# Altium PCB HW_Dron_V2.PcbDoc (part 1 of 2) (continued)
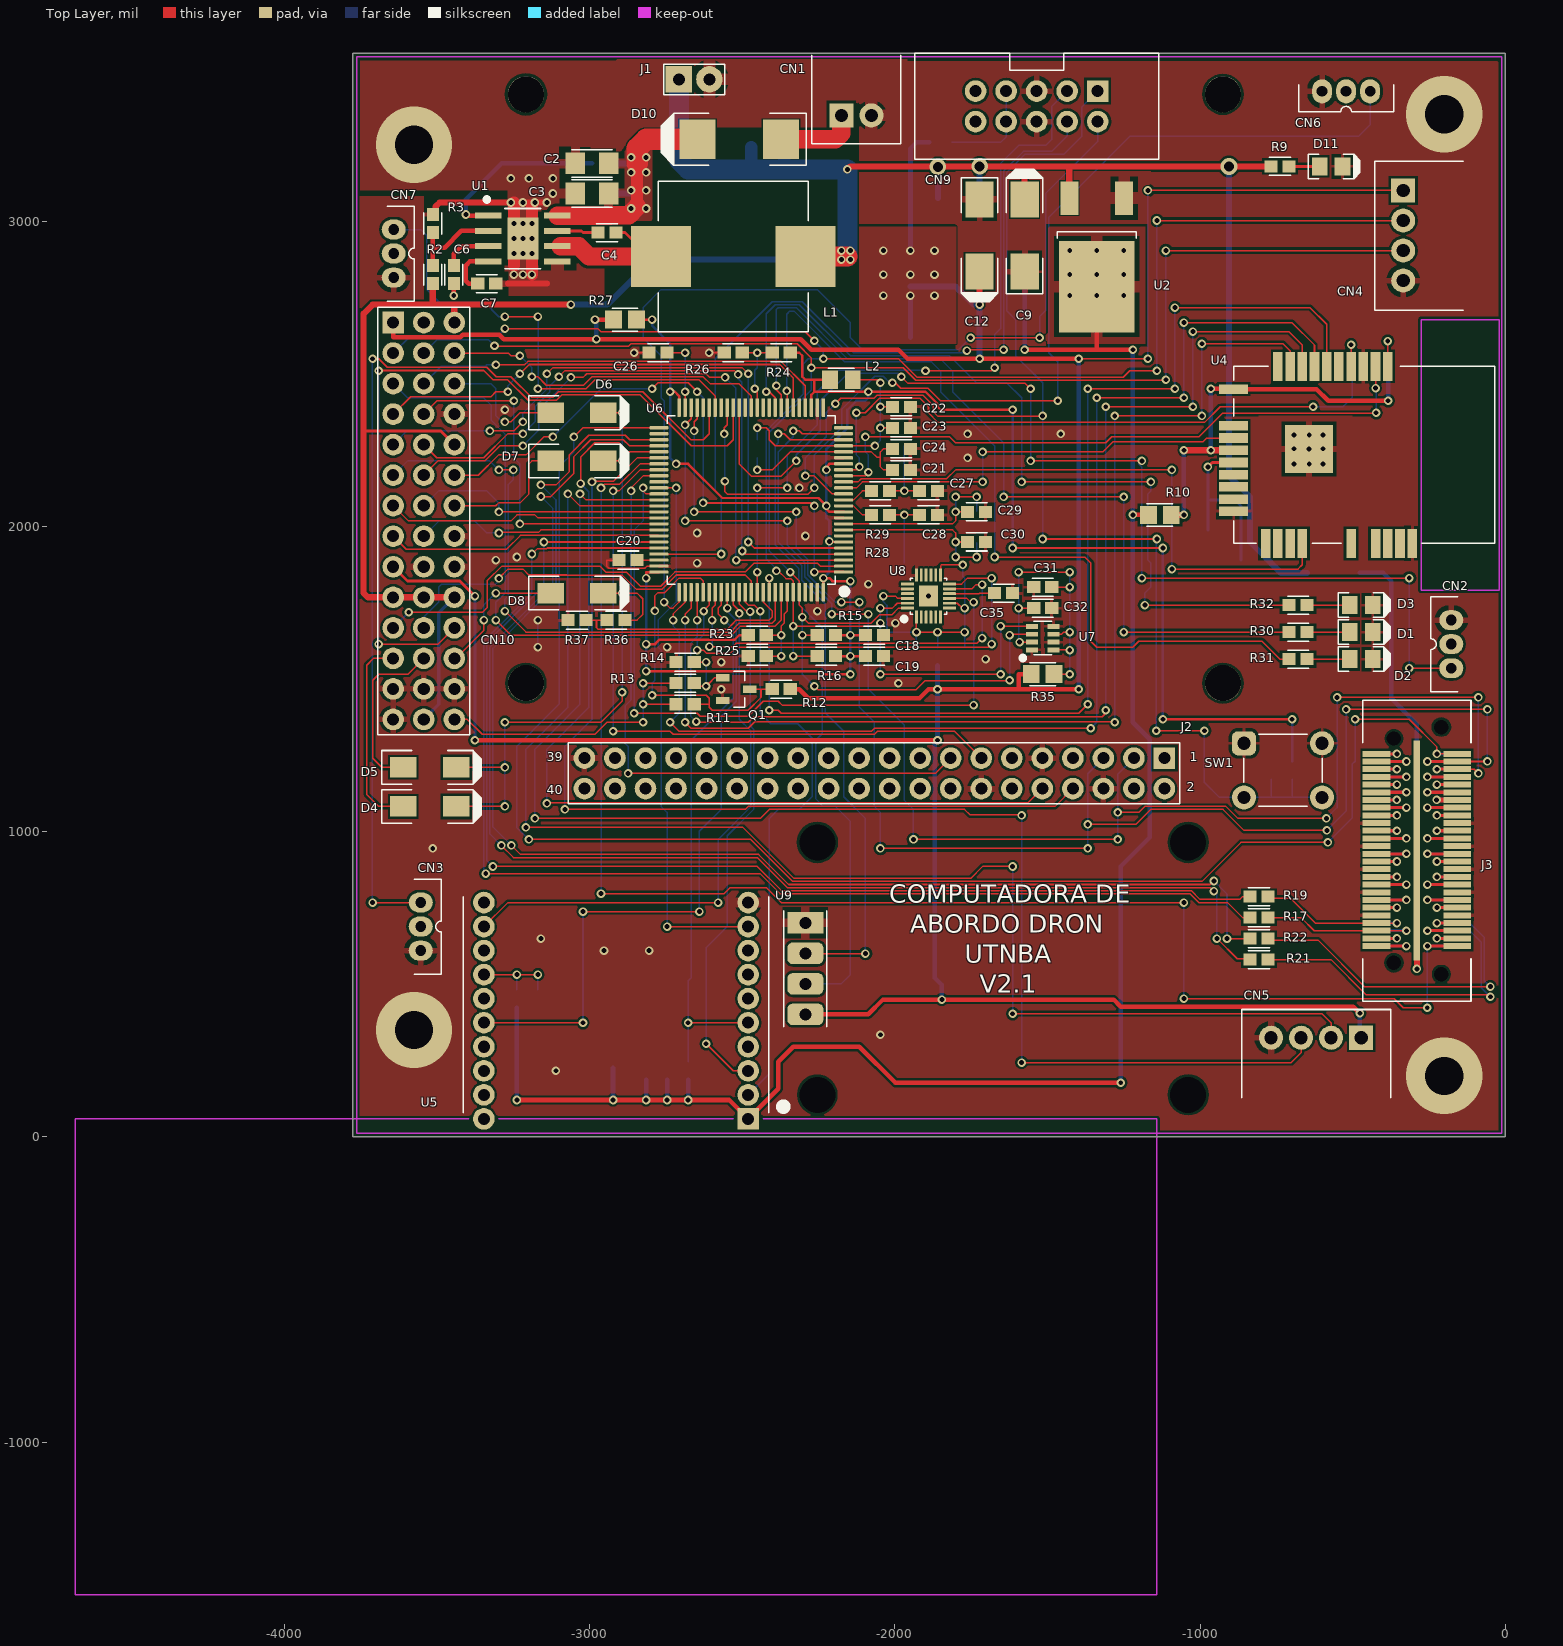
[diagram p0: Top Layer view]
## Footprints (in the part's own frame and the unit in brackets; to place one, negate y for a bottom-side part, rotate by r counter-clockwise, add the part's x,y. Pads: shape width x height; smd on the part's side, far side on the other; paste and mask are expansions set on the pad) (continued)
AVX_C [mm] "Capacitor AVX Case C"
  rect 3x2.35 smd: 1(-3,0) 2(3,0)
  silkscreen extent -5.5,-1.52 4.83,1.52, body extent -3.05,-1.68 3.05,1.67, height 2.7
BMP280 [mm] "LGA 2,0*2,5*0,95mm3"
  rect 1x0.4 smd: 1(0.9,0.975) 2(0.9,0.325) 3(0.9,-0.325) 4(0.9,-0.975) 5(-0.9,-0.975) 6(-0.9,-0.325) 7(-0.9,0.325) 8(-0.9,0.975)
  silkscreen extent -0.75,-1.4 1.82,1.82, body extent -1,-1.25 1,1.25, height 1
C0603 [mm] "Capacitor SMD 0603"
  rect 1.1x1 smd: 1(-0.75,0) 2(0.75,0)
  silkscreen extent -0.88,-0.75 0.88,0.75, body extent -0.8,-0.43 0.8,0.43, height 0.83
C1206 [mm] "Capacitor SMD 1206"
  rect 1.6x1.8 smd: 1(-1.4,0) 2(1.4,0)
  silkscreen extent -1.7,-1.15 1.7,1.15, body extent -1.6,-0.83 1.6,0.83, height 1.53
DPAK [mm] "TO-252"
  rect 1.5x2.8 smd: 1(-2.286,-4.365) 3(2.286,-4.365)
  rect 6.3x7.6 smd: 2(0,3)
  silkscreen extent -3.27,-1.55 3.27,-1.02, body extent -3.37,-4.7 3.37,5.4, height 2.4
GY-NEO6MV2 [mm] "Modulo GPS NEO6MV2"
  rrect50% 1.8x3 hole 1: 1(-3.81,0) 2(-1.27,0) 3(1.27,0)
  rect 1.8x3 hole 1: 4(3.81,0)
  round 1.25 hole 3 unplated: ""(-10.5,-1) ""(-10.5,-31.86) ""(10.5,-1) ""(10.5,-31.86)
  silkscreen extent -4.83,-1.78 4.83,1.78, body extent -12.75,-38.81 12.75,1.5, height 14.12
HEADER_14X3H [mm]
  rect 1.8x1.8 hole 1: 1(-2.54,16.51)
  round 1.8 hole 1: 2(0,16.51) 3(2.54,16.51) 4(-2.54,13.97) 5(0,13.97) 6(2.54,13.97) 7(-2.54,11.43) 8(0,11.43) 9(2.54,11.43) 10(-2.54,8.89) 11(0,8.89) 12(2.54,8.89) 13(-2.54,6.35) 14(0,6.35) 15(2.54,6.35) 16(-2.54,3.81) 17(0,3.81) 18(2.54,3.81) 19(-2.54,1.27) 20(0,1.27) 21(2.54,1.27) 22(-2.54,-1.27) 23(0,-1.27) 24(2.54,-1.27) 25(-2.54,-3.81) 26(0,-3.81) 27(2.54,-3.81) 28(-2.54,-6.35) 29(0,-6.35) 30(2.54,-6.35) 31(-2.54,-8.89) 32(0,-8.89) 33(2.54,-8.89) 34(-2.54,-11.43) 35(0,-11.43) 36(2.54,-11.43) 37(-2.54,-13.97) 38(0,-13.97) 39(2.54,-13.97) 40(-2.54,-16.51) 41(0,-16.51) 42(2.54,-16.51)
  silkscreen extent -3.81,-17.78 3.81,17.78, body extent -11.05,-17.75 3.05,17.81, height 9.72
HSOP-8 [mm]
  rect 0.5x2.2 smd: 1(-1.905,-2.875) 2(-0.635,-2.875) 3(0.635,-2.875) 4(1.905,-2.875) 5(1.905,2.875) 6(0.635,2.875) 7(-0.635,2.875) 8(-1.905,2.875)
  rect 3.5x2.6 smd: 9(0,0)
  silkscreen extent -3.42,-3.17 2.5,1.5, body extent -2.5,-3.1 2.5,3.1, height 1.75
IDC10M [mm] "10 pin IDC male header connector"
  rect 1.8x1.8 hole 1: 1(-5.08,-1.27)
  round 1.8 hole 1: 2(-5.08,1.27) 3(-2.54,-1.27) 4(-2.54,1.27) 5(0,-1.27) 6(0,1.27) 7(2.54,-1.27) 8(2.54,1.27) 9(5.08,-1.27) 10(5.08,1.27)
  silkscreen extent -10.15,-4.4 10.15,4.4, body extent -10.15,-4.4 10.15,4.7, height 9.3
JST-PH_3 [mm]
  oval 1.65x2 hole 0.9: 1(-2,0) 2(0,0) 3(2,0)
  silkscreen extent -3.95,-0.55 3.95,1.7, body extent -3.95,-2.79 3.95,1.71, height 6.1
L0805 [mm] "Inductor SMD 0805"
  rect 1.3x1.5 smd: 1(-0.95,0) 2(0.95,0)
  silkscreen extent -1.07,-0.95 1.08,0.95, body extent -1,-0.6 1,0.6, height 1.3
LED_0805 [mm] "0805 Package Chip LED"
  rect 1.3x1.5 smd: 1(-0.95,0) 2(0.95,0)
  silkscreen extent -1.91,-1.02 2.4,1.02, body extent -1.01,-0.63 1.01,0.62, height 1.1
MPU9250_HS [mm] "IMU 9 DOF"
  rrect50% 1.1x0.24 smd mask+0.051: 1(-1.75,1) 2(-1.75,0.6) 3(-1.75,0.2) 4(-1.75,-0.2) 5(-1.75,-0.6) 6(-1.75,-1) 13(1.75,-1) 14(1.75,-0.6) 15(1.75,-0.2) 16(1.75,0.2) 17(1.75,0.6) 18(1.75,1)
  rrect50% 0.24x1.1 smd mask+0.051: 7(-1,-1.75) 8(-0.6,-1.75) 9(-0.2,-1.75) 10(0.2,-1.75) 11(0.6,-1.75) 12(1,-1.75) 19(1,1.75) 20(0.6,1.75) 21(0.2,1.75) 22(-0.2,1.75) 23(-0.6,1.75) 24(-1,1.75)
  rect 1.76x1.6 smd mask+0.051: 25(0,0)
  silkscreen extent -2.08,-1.5 1.5,2.2, body extent -1.51,-1.52 1.51,1.5
ODROID_C1+_MOUNTUP [mm]
  rect 1.8x1.8 hole 1: 1(1.27,-24.13)
  round 1.8 hole 1: 2(-1.27,-24.13) 3(1.27,-21.59) 4(-1.27,-21.59) 5(1.27,-19.05) 6(-1.27,-19.05) 7(1.27,-16.51) 8(-1.27,-16.51) 9(1.27,-13.97) 10(-1.27,-13.97) 11(1.27,-11.43) 12(-1.27,-11.43) 13(1.27,-8.89) 14(-1.27,-8.89) 15(1.27,-6.35) 16(-1.27,-6.35) 17(1.27,-3.81) 18(-1.27,-3.81) 19(1.27,-1.27) 20(-1.27,-1.27) 21(1.27,1.27) 22(-1.27,1.27) 23(1.27,3.81) 24(-1.27,3.81) 25(1.27,6.35) 26(-1.27,6.35) 27(1.27,8.89) 28(-1.27,8.89) 29(1.27,11.43) 30(-1.27,11.43) 31(1.27,13.97) 32(-1.27,13.97) 33(1.27,16.51) 34(-1.27,16.51) 35(1.27,19.05) 36(-1.27,19.05) 37(1.27,21.59) 38(-1.27,21.59) 39(1.27,24.13) 40(-1.27,24.13)
  round 3 hole 3 unplated: ""(7.5,29) ""(7.5,-29) ""(56.5,-29) ""(56.5,29)
  silkscreen extent -2.54,-25.4 2.54,25.48, body extent -2.54,-32.75 60.5,53.75, height 36.9
QFP100 [mm]
  rrect50% 0.28x1.56 smd: 1(-6,-7.68) 2(-5.5,-7.68) 3(-5,-7.68) 4(-4.5,-7.68) 5(-4,-7.68) 6(-3.5,-7.68) 7(-3,-7.68) 8(-2.5,-7.68) 9(-2,-7.68) 10(-1.5,-7.68) 11(-1,-7.68) 12(-0.5,-7.68) 13(0,-7.68) 14(0.5,-7.68) 15(1,-7.68) 16(1.5,-7.68) 17(2,-7.68) 18(2.5,-7.68) 19(3,-7.68) 20(3.5,-7.68) 21(4,-7.68) 22(4.5,-7.68) 23(5,-7.68) 24(5.5,-7.68) 25(6,-7.68) 51(6,7.68) 52(5.5,7.68) 53(5,7.68) 54(4.5,7.68) 55(4,7.68) 56(3.5,7.68) 57(3,7.68) 58(2.5,7.68) 59(2,7.68) 60(1.5,7.68) 61(1,7.68) 62(0.5,7.68) 63(0,7.68) 64(-0.5,7.68) 65(-1,7.68) 66(-1.5,7.68) 67(-2,7.68) 68(-2.5,7.68) 69(-3,7.68) 70(-3.5,7.68) 71(-4,7.68) 72(-4.5,7.68) 73(-5,7.68) 74(-5.5,7.68) 75(-6,7.68)
  rrect50% 1.56x0.28 smd: 26(7.68,-6) 27(7.68,-5.5) 28(7.68,-5) 29(7.68,-4.5) 30(7.68,-4) 31(7.68,-3.5) 32(7.68,-3) 33(7.68,-2.5) 34(7.68,-2) 35(7.68,-1.5) 36(7.68,-1) 37(7.68,-0.5) 38(7.68,0) 39(7.68,0.5) 40(7.68,1) 41(7.68,1.5) 42(7.68,2) 43(7.68,2.5) 44(7.68,3) 45(7.68,3.5) 46(7.68,4) 47(7.68,4.5) 48(7.68,5) 49(7.68,5.5) 50(7.68,6) 76(-7.68,6) 77(-7.68,5.5) 78(-7.68,5) 79(-7.68,4.5) 80(-7.68,4) 81(-7.68,3.5) 82(-7.68,3) 83(-7.68,2.5) 84(-7.68,2) 85(-7.68,1.5) 86(-7.68,1) 87(-7.68,0.5) 88(-7.68,0) 89(-7.68,-0.5) 90(-7.68,-1) 91(-7.68,-1.5) 92(-7.68,-2) 93(-7.68,-2.5) 94(-7.68,-3) 95(-7.68,-3.5) 96(-7.68,-4) 97(-7.68,-4.5) 98(-7.68,-5) 99(-7.68,-5.5) 100(-7.68,-6)
  silkscreen extent -7.8,-7.93 7,7, body extent -8,-8 8,8
R0603 [mm] "Resistor SMD 0603"
  rect 1.1x1 smd: 1(-0.75,0) 2(0.75,0)
  silkscreen extent -0.88,-0.75 0.87,0.75, body extent -0.8,-0.43 0.8,0.43, height 0.48
R0805 [mm] "Resistor SMD 0805"
  rect 1.4x1.5 smd: 1(-0.95,0) 2(0.95,0)
  silkscreen extent -1.07,-0.95 1.07,0.95, body extent -1,-0.63 1,0.63, height 0.43
S2B-XH-A [mm] "Conector JST XH A side 2 pos"
  rect 2x2 hole 1.1: 1(-1.25,0)
  round 2 hole 1.1: 2(1.25,0)
  silkscreen extent -3.7,-2.35 3.7,5, body extent -3.7,-2.25 3.7,9.25, height 6.1
S4B-XH-A [mm] "Conector JST XH A side 4 pos"
  rect 2x2 hole 1.1: 1(-3.75,0)
  round 2 hole 1.1: 2(-1.25,0) 3(1.25,0) 4(3.75,0)
  silkscreen extent -6.2,-2.35 6.2,5, body extent -6.25,-2.25 6.15,9.25, height 6.1
"SMA (DO-214AC)" [mm]
  rect 2.2x1.7 smd: 1(-2.2,0) 2(2.2,0)
  silkscreen extent -4,-1.4 4.3,1.4, body extent -2.74,-1.4 2.74,1.4, height 2.24
"SMC (DO-214AB)" [mm]
  rect 3x3.3 smd: 1(-3.475,0) 2(3.475,0)
  silkscreen extent -5.59,-2.16 6.5,2.16, body extent -4.06,-3.15 4.06,3.15
SOT23 [mm]
  rect 1.15x0.6 smd: 1(-1.125,0.95) 2(1.125,0) 3(-1.125,-0.95)
  silkscreen extent -0.2,-1.5 0.7,1.5, body extent -1.27,-1.5 1.23,1.5, height 1.09
SRP1265A [mm] "Shielded Power Inductors"
  rect 5x5.1 smd: 1(-6,0) 2(6,0)
  silkscreen extent -6.25,-6.25 6.25,6.25, body extent -6.75,-6.25 6.75,6.25, height 6.4
TAC_SW_4 [mm] "TAC SWITCH de 4"
  round 2 hole 1.1: 1(-3.25,-2.25) 2(-3.25,2.25) 2(3.25,2.25)
  rrect50% 2x2 hole 1.1: 1(3.25,-2.25)
  silkscreen extent -3.25,-3 3.25,3, body extent -3.87,-3.01 3.87,3.02, height 5.01
XBEEPRO [mm]
  rect 1.8x1.8 hole 1: 1(11,-9)
  round 1.8 hole 1: 2(11,-7) 3(11,-5) 4(11,-3) 5(11,-1) 6(11,1) 7(11,3) 8(11,5) 9(11,7) 10(11,9) 11(-11,9) 12(-11,7) 13(-11,5) 14(-11,3) 15(-11,1) 16(-11,-1) 17(-11,-3) 18(-11,-5) 19(-11,-7) 20(-11,-9)
  Keep-Out Layer lines w0.127: -12.25,-9 -45,-9 -45,-48.6 45,-48.6 45,-9 12.25,-9 ; -9.75,-9 9.75,-9
  silkscreen extent -12.7,-8.5 14.2,9.5, body extent -12.11,-30.97 12.27,16.4, height 6.96

## Part data
C1 C2 C3 C4 C5 C6 C7 C8 C13 C15 C17 C18 C19 C20 C21 C22 C23 C24 C25 C26 C27 C28 C29 C30 C31 C32 C33 C34 C35: library part Capacitor, "Capacitor de placas paralelas"
C9 C10 C11 C12 C14 C16: library part CapaPol, "Capacitor polarizado"
CN1 J1: library part Header_2, "Header, 2-pin"
CN2 CN3 CN6 CN7: library part Header_3, "Header, 3-pin"
CN4 CN5: library part Header_4, "Header, 4-pin"
CN9: library part Header_5x2H, "Header, 5x2-pin pinout horizontal"
CN10: "Header, 14x3-pin"
D1 D2 D3 D11: "Diodo Led"
D4 D5 D6 D7 D8 D9: library part Diode, "Diodo"
D10: "Diodo Schottky"
J2: library part Odroid_C1+, "Conector para odroid c1+"
J3: library part PCIe/104A-OneBankTop, "PCIe/104 Connector A, OneBank Top"
J4: library part PCIe/104A-OneBankBottom, "PCIe/104 Connector A, OneBank Bottom"
L1 L2: library part Inductor, "Inductor"
Q1: library part NPN, "Transistor bipolar de juntura NPN"
R1 R2 R3 R4 R5 R6 R7 R8 R9 R10 R11 R12 R13 R14 R15 R16 R17 R18 R19 R20 R21 R22 R23 R24 R25 R26 R27 R28 R29 R30 R31 R32 R33 R34 R35 R36 R37: library part Resistor, "Resistencia"
SW1: library part TAC_SWITCH_4, "Pulsador de 4 pines"
U1: "4.5-V to 18-V Input, 6-A Synchronous Step-Down Converter"
U2 U3: library part LM1117, "Low dropout oscilator"
U4: "IEEE 802.11 b/g/n SmartConnect  IoT Module"
U5: library part XbeePRO_S2C, "Conector modulo Zigbee Series 2 C"
U6: library part STM32F407VGT6_100, "Microcontrolador STM32F407VGT6 100 pines"
U7: "Sensor de presion digital"
U8: "IMU 9DOF"
U9: "Modulo GPS NEO6 V2"
Y1 Y2: library part XTAL, "Resonador cerámico"

## Via types
v1: diameter 28, hole 16, Top Layer to Bottom Layer, tented both sides, 470 vias
v2: diameter 250, hole 125, Top Layer to Bottom Layer, 4 vias
v3: diameter 54, hole 32, Top Layer to Bottom Layer, tented both sides, 2 vias
v4: diameter 56, hole 32, Top Layer to Bottom Layer, tented both sides, 1 vias

## Nets (pads, with @x,y where several pads share a name; then routed paths per layer and width w, separated by ;. In a path a pad name is that pad's centre, name@x,y a point inside that pad or via, vN(x,y) a via of type N, cw(c..) or ccw(c..) an arc to the next point about the centre after c; other vN are vias at no path point)
3V3: C12.1 CN4.1 CN5.1 CN10.1 CN10.25 R12.2 R27.1 R33.1 R34.1 R35.1 U3.2 U9.1 | length 12640.1
  Top Layer w5: R35.1@-1564.96,1515.75 R35.1@-1545.27,1535.43 ; v1(-1397.64,2549.21) v1(-1171.26,2549.21) ; v1(-1171.26,3100.39) CN4.1@-334.65,3100.39
  Top Layer w10: CN10.25@-3643.31,1867.72 -3596.46,1820.87 -3425.2,1820.87 v1(-3375.98,1771.65)
  Top Layer w15: CN10.1@-3643.31,2667.72 -3643.31,2619.69 -3571.26,2619.69 -3571.16,2619.78 -3423.45,2619.78 -3415.28,2627.95 -3295.35,2627.95 -3280.82,2613.43 v1(-2977.6,2613.43) -2308.31,2613.43 -2273.62,2578.74 -1988.19,2578.74 -1958.66,2549.21 v1(-1722.44,2549.21) v1(-1397.64,2549.21) ; v1(-3375.98,1299.21) v1(-1860.24,1299.21) ; v1(-2982.28,2677.16) R27.1@-2913.39,2677.16 ; R12.2@-2342.52,1466.54 -2312.99,1466.54 -2283.46,1437.01 -1919.29,1437.01 -1889.76,1466.54 v1(-1860.24,1466.54) -1594.49,1466.54 ; U9.1@-2293.31,401.18 -2087.6,401.18 -2038.89,449.89 v1(-1846.16,449.89) -1283.48,449.89 -1259.84,426.26 -497.9,426.26 v1(-476.67,405.03) ; R35.1@-1574.8,1515.75 -1594.49,1515.75 -1594.49,1466.54 ; v1(-1397.64,1466.54) -1594.49,1466.54
  Top Layer w20: v1(-1722.44,2726.38) C12.1@-1722.43,2834.64
  Bottom Layer w5: v1(-1171.26,2549.21) v1(-1171.26,3100.39)
  Bottom Layer w10: v1(-3375.98,1299.21) v1(-3375.98,1771.65)
  Bottom Layer w15: v1(-2982.28,2677.16) -2977.6,2672.48 v1(-2977.6,2613.43) ; -1948.82,2618.11 v1(-1948.82,2755.91) ; v1(-1948.82,2903.54) -1948.82,3238.19 -1929.13,3257.87 R33.1@-1887.8,3257.87 ; R34.1@-1860.24,1545.28 v1(-1860.24,1466.54) v1(-1860.24,1299.21) -1868.82,1290.63 -1868.82,520.39 -1846.16,497.74 v1(-1846.16,449.89) ; v1(-1397.64,1466.54) v1(-1397.64,2549.21) ; CN5.1@-476.67,329.04 v1(-476.67,405.03)
  Bottom Layer w20: U3.2@-1948.82,2785.43 -1801.18,2785.43 -1742.13,2726.38 v1(-1722.44,2726.38) v1(-1722.44,2549.21)
  other v1: -2037.4,2755.91 -1870.08,2755.91 -2037.4,2824.8 -1948.82,2824.8 -1870.08,2824.8 -2037.4,2903.54 -1870.08,2903.54
3V3_BMP: C31.1 C32.1 R35.2 U7.2 U7.6 U7.8 | length 1057.5
  Top Layer w5: v1(-1594.49,1732.28) C32.1@-1545.28,1732.28 ; v1(-1594.49,1850.39) v1(-1427.17,1850.39) ; v1(-1591.54,1621.06) U7.2@-1551.18,1621.06 ; R35.2@-1486.22,1535.43 -1466.54,1515.75 v1(-1427.17,1515.75) ; C31.1@-1486.22,1801.18 v1(-1427.17,1801.18) ; U7.8@-1480.31,1595.47 v1@-1427.17,1595.47 ; U7.6@-1480.31,1646.65 -1453.74,1646.65 -1446.85,1653.54 v1(-1427.17,1653.54)
  Bottom Layer w5: v1(-1594.49,1850.39) v1(-1594.49,1732.28) -1594.49,1624.02 v1(-1591.54,1621.06) ; v1(-1427.17,1515.75) v1(-1427.17,1594.49) v1(-1427.17,1653.54) v1(-1427.17,1801.18) v1(-1427.17,1850.39)
3V3_COM: C10.1 C13.1 C14.1 C15.1 R4.2 R5.2 R10.1 U2.2 U5.1 | length 6148.9
  Top Layer w15: v1(-3238.19,120.86) v1(-2923.23,120.86) v1(-2814.96,120.86) v1(-2746.06,120.86) -2542.12,120.86 U5.1@-2480.31,59.06 -2381.89,157.48 -2381.89,246.06 -2332.68,295.28 -2116.14,295.28 -1998.03,177.17 v1(-1259.84,177.17) ; v1(-1574.8,2578.74) -1338.58,2578.74 ; U2.2@-1338.58,2785.43 -1338.58,2578.74 ; v1(-1220.47,2037.4) R10.1@-1161.42,2037.4 ; v1(-1220.47,2578.74) -1338.58,2578.74
  Bottom Layer w15: v1(-3238.19,120.86) R5.2@-3238.19,423.23 ; v1(-2923.23,120.86) C14.1@-2923.24,226.37 ; v1(-2814.96,120.86) C15.1@-2814.96,187.01 ; v1(-2746.06,120.86) C13.1@-2746.06,187.01 ; v1(-2677.17,120.86) R4.2@-2677.17,187.01 ; v1(-1574.8,2578.74) C10.1@-1574.81,2834.64 ; v1(-1259.84,177.17) -1259.84,885.83 -1164.86,980.81 -1164.86,1302.66 -1220.47,1358.27 v1(-1220.47,2037.4) v1(-1220.47,2578.74)
  other v1: -1427.17,2755.91 -1338.58,2755.91 -1250,2755.91 -1427.17,2824.8 -1338.58,2824.8 -1250,2824.8 -1427.17,2903.54 -1338.58,2903.54 -1250,2903.54
3V3_IMU: C33.1 C34.1 R34.2 U8.1 U8.8 U8.13 U8.22 | length 1035.8
  Top Layer w5: v1(-2037.4,1771.65) -1998.03,1771.65 -1990.16,1763.78 U8.22@-1958.66,1763.78 ; U8.1@-1929.13,1702.76 v1(-1929.13,1653.54) v1(-1771.65,1653.54) ; U8.13@-1850.39,1840.55 -1850.39,1870.08 -1846.46,1874.01 v1(-1777.56,1874.01) ; U8.8@-1820.87,1748.03 -1795.27,1748.03 -1779.53,1732.28 v1(-1771.65,1732.28)
  Bottom Layer w5: v1(-2037.4,1771.65) -2037.4,1752.85 -2025.74,1741.19 -2025.74,1661.57 -2017.72,1653.54 v1(-1929.13,1653.54) C34.1@-1929.13,1604.33 ; R34.2@-1860.24,1602.36 v1(-1860.24,1653.54) ; v1(-1777.56,1874.01) -1777.56,1836.62 -1771.65,1830.71 v1(-1771.65,1732.28) v1(-1771.65,1653.54) C33.1@-1771.65,1604.33
3V3_MCU: C18.1 C19.1 L2.1 R15.1 R16.1 R20.2 R23.1 R24.1 R27.2 U6.6 U6.11 U6.19 U6.28 U6.50 U6.75 U6.100 | length 7161.7
  Top Layer w8: R27.2@-2846.46,2677.17 v1(-2795.28,2677.17) ; v1(-2814.96,1525.59) -2814.12,1524.75 -2243.26,1524.75 -2234.25,1515.75 v1(-2145.66,1515.75) ; v1(-2814.96,1614.17) -2785.43,1614.17 -2770.46,1629.15 -2524.4,1629.15 -2509.84,1643.7 R23.1@-2480.32,1643.7 ; v1(-2814.96,1830.71) -2814.96,1850.39 U6.75@-2772.84,1850.39 ; v1(-2736.22,2440.94) -2720.52,2440.94 -2706.69,2427.12 U6.50@-2706.69,2388.98 ; v1(-2716.54,2204.72) -2677.17,2204.72 -2565.43,2092.98 -2250.46,2092.98 v1(-2224.41,2066.93) -2224.41,2057.09 -2214.57,2047.24 U6.11@-2168.11,2047.24 ; R24.1@-2342.52,2568.9 -2312.99,2568.9 -2303.15,2559.06 -2303.15,2490.16 -2293.31,2480.32 -2263.78,2480.32 ; U6.28@-2273.62,2388.98 -2273.62,2431.1 -2263.78,2440.94 ; U6.100@-2234.25,1784.25 v1(-2234.25,1830.71) -2214.57,1830.71 -2204.72,1820.87 v1(-2145.67,1820.87) ; v1(-2214.57,1950.63) -2212.75,1948.82 U6.6@-2168.11,1948.82 ; v1@-2213.32,2185.04 v1(-2224.41,2185.04) -2224.41,2194.88 -2214.57,2204.72 U6.19@-2168.11,2204.72 ; L2.1@-2212.6,2480.31 -2263.78,2480.32 ; R16.1@-2194.88,1574.8 v1(-2145.67,1574.8) C19.1@-2096.46,1574.8 ; R15.1@-2194.88,1643.7 v1(-2145.67,1643.7) C18.1@-2096.46,1643.7 ; v1(-1614.17,1929.13) v1(-1122.05,1929.13) ; v1(-1614.17,2381.89) -1850.39,2381.89 -1860.24,2391.73 -1860.24,2401.57 -1899.61,2440.94 v1(-2086.61,2440.94) -2263.78,2440.94 ; v1(-1122.05,1368.11) v1(-698.82,1368.11) ; -2263.78,2440.94 -2263.78,2480.32
  Bottom Layer w8: v1(-2814.96,1525.59) v1(-2814.96,1614.17) v1(-2814.96,1830.71) ; v1(-2795.28,2677.17) -2795.28,2657.48 -2736.22,2598.43 v1(-2736.22,2440.94) -2736.22,2224.41 v1(-2716.54,2204.72) ; v1@-2224.41,1830.71 v1(-2234.25,1830.71) -2214.57,1850.39 v1(-2214.57,1950.63) -2214.57,2017.46 -2224.41,2027.31 v1(-2224.41,2066.93) v1(-2224.41,2185.04) -2224.41,2253.94 -2155.51,2322.83 -2155.51,2381.89 -2125.98,2411.42 -2096.46,2411.42 -2086.61,2421.26 v1(-2086.61,2440.94) ; v1(-2145.66,1515.75) v1(-2145.67,1574.8) v1(-2145.67,1820.87) ; v1(-1614.17,1929.13) v1(-1614.17,2381.89) ; v1(-1122.05,1368.11) v1(-1122.05,1929.13) ; R20.2@-698.82,1230.32 v1(-698.82,1368.11)
3V3_PC: J3.4 J4.4 | length 133.9
  Top Layer w10: J3.4@-422.24,650.2 v1(-355.31,650.2)
  Bottom Layer w10: J4.4@-422.24,650.2 v1(-355.31,650.2)
3V3_PC_2: J3.3 J4.3 | length 133.9
  Top Layer w10: v1(-224.21,650.2) J3.3@-157.28,650.2
  Bottom Layer w10: v1(-224.21,650.2) J4.3@-157.28,650.2
3V3_WIFI: R6.1 R10.2 U4.20 U4.23 | length 1301.3
  Top Layer w15: v1(-964.57,2450.79) -891.53,2450.79 U4.20@-890.16,2449.41 -618.7,2449.41 -580.71,2411.42 v1(-383.86,2411.42)
  Top Layer w20: R10.2@-1102.36,2037.4 v1(-1053.15,2037.4) ; v1(-1053.15,2249.41) v1(-964.57,2249.41) U4.23@-890.16,2249.41
  Bottom Layer w15: v1(-1053.15,2037.4) v1(-1053.15,2249.41) ; v1(-964.57,2249.41) v1(-964.57,2450.79) ; v1(-383.86,2411.42) R6.1@-383.86,2490.16
5V_PC: D9.2 J3.53 J4.53 | length 1807
  Top Layer w20: v1(-289.76,550.26) J3.53@-289.76,937.6
  Bottom Layer w15: D9.2@-477.14,1847.57 -400.72,1847.57 -374.02,1820.87 -374.02,1437.01 -289.76,1352.76 J4.53@-289.76,937.6 v1(-289.76,550.26)
5V_SB_PC: J3.40 J4.40 | length 133.1
  Top Layer w10: J3.40@-422.24,1103.74 v1(-355.71,1103.74)
  Bottom Layer w10: J4.40@-422.24,1103.74 v1(-355.71,1103.74)
5V_SB_PC_2: J3.39 J4.39 | length 135.4
  Top Layer w15: v1(-225,1103.74) J3.39@-157.28,1103.74
  Bottom Layer w15: v1(-225,1103.74) J4.39@-157.28,1103.74
BOOT0: R23.2 R25.2 U6.94 | length 316
  Top Layer w5: R25.2@-2421.26,1574.8 v1(-2372.05,1574.8) ; R23.2@-2421.26,1643.7 v1(-2372.05,1643.7) -2372.05,1673.23 -2362.05,1683.23 -2362.05,1712.76 -2352.36,1722.44 U6.94@-2352.36,1784.25
  Bottom Layer w5: v1(-2372.05,1574.8) v1(-2372.05,1643.7)
BOOT1: R24.2 R26.2 U6.37 | length 285
  Top Layer w5: R26.2@-2500,2568.9 v1(-2450.79,2568.9) R24.2@-2401.57,2568.9 ; v1(-2458.82,2450.79) -2458.82,2448.97 -2450.79,2440.94 U6.37@-2450.79,2388.98
  Bottom Layer w5: v1(-2458.82,2450.79) -2458.82,2511.66 -2450.79,2519.69 v1(-2450.79,2568.9)
DCMI_D0: CN10.23 U6.68 | length 811.6
  Top Layer w5: v1(-3297.24,1978.35) -3295.27,1980.32 -3167.32,1980.32 -3159.45,1988.19 U6.68@-2772.84,1988.19
  Bottom Layer w5: CN10.23@-3543.31,1967.72 -3493.31,2017.72 -3375.98,2017.72 -3336.61,1978.35 v1(-3297.24,1978.35)
DCMI_D1: CN10.22 U6.69 | length 907.9
  Top Layer w5: CN10.22@-3643.31,1967.72 -3600.37,1924.78 -3272.07,1924.78 -3226.53,1970.32 -2774.65,1970.32 U6.69@-2772.84,1968.5
DCMI_D2: CN10.20 U6.65 | length 836.5
  Top Layer w5: v1(-3297.24,2047.24) -3297.09,2047.4 -3090.71,2047.4 -3090.55,2047.24 U6.65@-2772.84,2047.24
  Bottom Layer w5: CN10.20@-3543.31,2067.72 -3494.88,2116.14 -3336.61,2116.14 -3297.24,2076.77 v1(-3297.24,2047.24)
DCMI_D3: CN10.19 U6.66 | length 903.4
  Top Layer w5: CN10.19@-3643.31,2067.72 -3593.31,2017.72 -3257.87,2017.72 -3238.19,2037.4 -3179.13,2037.4 -3169.29,2027.56 U6.66@-2772.84,2027.56
DCMI_D4: CN10.17 U6.3 | length 2134.1
  Top Layer w5: CN10.17@-3543.31,2167.72 -3496.24,2214.78 -3342.64,2214.78 -3293.65,2263.78 v1(-3218.5,2263.78) ; v1(-3061.02,2488.03) -3021.65,2488.03 -3009.37,2500.32 -2618.9,2500.32 -2606.61,2488.03 v1(-2556.05,2488.03) ; v1(-2519.69,1889.76) U6.3@-2168.11,1889.76
  Bottom Layer w5: v1(-3218.5,2263.78) -3167.32,2314.96 -3167.32,2381.73 v1(-3061.02,2488.03) ; v1(-2556.05,2488.03) -2521.5,2453.48 -2521.5,1891.58 v1(-2519.69,1889.76)
DCMI_D5: CN10.16 U6.92 | length 1921.3
  Top Layer w5: v1(-3297.24,2185.04) v1(-3249.85,2185.04) ; v1(-3277.56,1722.44) -3208.66,1653.54 -2799.58,1653.54 -2799.42,1653.39 -2539.53,1653.39 -2509.69,1683.23 -2401.42,1683.23 -2391.73,1692.91 U6.92@-2391.73,1784.25
  Bottom Layer w5: CN10.16@-3643.31,2167.72 -3596.46,2214.57 -3326.77,2214.57 v1(-3297.24,2185.04) ; v1(-3277.56,1722.44) -3277.56,1761.81 -3265.74,1773.63 -3265.74,2137.8 -3249.85,2153.7 v1(-3249.85,2185.04)
DCMI_D6: CN10.14 U6.4 | length 2131.7
  Top Layer w5: CN10.14@-3543.31,2267.72 -3500.37,2224.78 -3346.78,2224.78 -3268.57,2302.99 -3243.89,2302.99 -3243.74,2303.15 v1(-3218.5,2303.15) ; v1(-3100.39,2490.16) -3080.24,2510.32 -2525.6,2510.32 v1(-2513.31,2498.03) ; v1(-2500,1919.29) -2490.16,1909.45 U6.4@-2168.11,1909.45
  Bottom Layer w5: v1(-3218.5,2303.15) -3177.32,2344.32 -3177.32,2393.55 -3129.76,2441.1 -3129.76,2460.79 v1(-3100.39,2490.16) ; v1(-2513.31,2498.03) -2513.31,2483.79 -2501.82,2472.29 -2501.82,1921.11 v1(-2500,1919.29)
DCMI_D7: CN10.13 U6.5 | length 2193.7
  Top Layer w5: v1(-3326.77,2312.99) -3248.03,2312.99 v1(-3218.5,2342.52) ; v1(-3139.76,2500) -3119.45,2520.32 -2500.63,2520.32 v1(-2480.32,2500) ; v1(-2480.32,1948.82) -2460.63,1929.13 U6.5@-2168.11,1929.13
  Bottom Layer w5: CN10.13@-3643.31,2267.72 -3598.03,2312.99 v1(-3326.77,2312.99) ; v1(-3218.5,2342.52) -3218.5,2371.17 -3139.76,2449.91 v1(-3139.76,2500) ; v1(-2480.32,1948.82) v1(-2480.32,2500)
DCMI_HREF: CN10.8 U6.29 | length 1384.7
  Top Layer w5: v1(-3307.09,2529.53) -3212.96,2529.53 -3202.17,2540.32 -2372.99,2540.32 -2293.31,2460.63 U6.29@-2293.31,2388.98
  Bottom Layer w5: CN10.8@-3543.31,2467.72 -3486.24,2524.78 -3341.36,2524.78 -3336.61,2529.53 v1(-3307.09,2529.53)
DCMI_PIXCK: CN10.10 U6.31 | length 1504.8
  Top Layer w5: CN10.10@-3643.31,2367.72 -3586.24,2424.78 -3323.25,2424.78 -3307.09,2440.94 v1(-3267.72,2440.94) ; v1(-3228.35,2500) -3198.03,2530.32 -2377.13,2530.32 -2332.68,2485.86 U6.31@-2332.68,2388.98
  Bottom Layer w5: v1(-3267.72,2440.94) -3267.72,2460.63 v1(-3228.35,2500)
DCMI_VSYNC: CN10.7 U6.93 | length 2153.7
  Top Layer w5: v1(-3307.09,1692.91) -3257.72,1643.54 -2803.72,1643.54 -2803.56,1643.39 -2535.39,1643.39 -2505.54,1673.23 -2391.73,1673.23 -2372.05,1692.91 U6.93@-2372.05,1784.25
  Bottom Layer w5: CN10.7@-3643.31,2467.72 -3596.85,2421.26 -3347.22,2421.26 -3321.63,2395.67 -3321.63,2347.22 -3275.74,2301.33 -3275.74,1782.42 -3307.09,1751.08 v1(-3307.09,1692.91)
DCMI_XCLK: CN10.11 U6.67 | length 1180.6
  Top Layer w5: CN10.11@-3543.31,2367.72 -3499.61,2411.42 v1(-3248.03,2411.42) ; v1(-3228.35,2007.87) U6.67@-2772.84,2007.87
  Bottom Layer w5: v1(-3248.03,2411.42) -3248.03,2224.41 -3228.35,2204.72 v1(-3228.35,2007.87)
DIR_PC: J3.45 J4.45 | length 196.1
  Top Layer w10: v1(-255.31,1179.33) J3.45@-157.28,1179.33
  Bottom Layer w10: v1(-255.31,1179.33) J4.45@-157.28,1179.33
ECHO: D4.2 D5.2 D6.2 D7.2 D8.2 R36.2 | length 2327.6
  Top Layer w5: D4.2@-3437.01,1082.68 v1(-3277.56,1082.68) ; D5.2@-3437.01,1210.63 v1(-3277.56,1210.63) ; v1(-3277.56,1358.27) -2962.6,1358.27 -2893.7,1427.17 v1(-2893.7,1456.69) ; D8.2@-2954.72,1781.5 v1(-2893.7,1781.5) -2844.49,1781.5 -2825.67,1762.67 -2825.67,1711.74 -2844.49,1692.91 R36.2@-2883.86,1692.91 ; D7.2@-2954.72,2214.57 v1(-2893.7,2214.57) ; D6.2@-2954.72,2372.05 v1(-2893.7,2372.05)
  Bottom Layer w5: v1(-3277.56,1082.68) v1(-3277.56,1210.63) v1(-3277.56,1358.27) ; v1(-2893.7,1456.69) v1(-2893.7,1781.5) v1(-2893.7,2214.57) v1(-2893.7,2372.05)
ESC1_PWM: CN2.1 U6.40 | length 3688.1
  Top Layer w5: U6.40@-2509.84,2388.98 -2509.84,2204.73 -2468.66,2163.54 -2373.86,2163.54 v1(-2322.83,2214.57) ; v1(-1978.35,2490.16) -1956.53,2468.34 -1572.67,2468.34 v1(-1555.12,2450.79) ; v1(-1555.12,2214.57) v1(-1190.94,2214.57) ; v1(-1190.94,1830.7) -354.33,1830.7 v1(-314.96,1830.71) ; v1(-314.96,1535.43) CN2.1@-177.17,1535.43
  Bottom Layer w5: v1(-2322.83,2214.57) -2322.83,2234.41 -2244.09,2313.15 -2244.09,2411.42 -2153.54,2501.97 -1990.16,2501.97 v1(-1978.35,2490.16) ; v1(-1555.12,2214.57) v1(-1555.12,2450.79) ; v1(-1190.94,1830.7) -1190.94,2194.88 -1200.79,2204.72 v1(-1190.94,2214.57) ; v1(-314.96,1535.43) v1(-314.96,1830.71)
ESC2_PWM: CN6.1 U6.42 | length 3567.6
  Top Layer w5: v1(-2559.06,2303.15) -2559.06,2322.83 -2549.21,2332.68 U6.42@-2549.21,2388.98 ; v1(-2556.67,2147.94) -2556.67,2113.76 -2547.4,2104.48 -2285.28,2104.48 v1(-2263.78,2125.98) ; v1(-2007.87,2470.47) v1@-1998.91,2470.47 ; v1@-1998.91,2470.47 -1980.88,2452.44 -1891.42,2452.44 -1850.39,2411.42 v1(-1466.54,2411.42)
  Bottom Layer w5: v1(-2559.06,2303.15) -2556.67,2300.77 v1(-2556.67,2147.94) ; v1(-2263.78,2125.98) -2263.78,2234.25 -2173.38,2324.65 -2173.38,2384.58 -2066,2491.97 -2038.33,2491.97 -2017.72,2471.35 v1@-2017.72,2470.47 ; v1@-2017.71,2470.47 v1(-2007.87,2470.47) ; v1(-1466.54,2411.42) -1466.54,2539.37 -1496.06,2568.9 -1496.06,3011.81 -1230.31,3277.56 -482.28,3277.56 -442.91,3316.93 CN6.1@-442.91,3425.2
ESC3_PWM: CN7.1 U6.44 | length 1585.3
  Top Layer w5: v1(-3277.56,2687.01) v1(-3169.29,2687.01) ; v1(-3169.29,2450.79) -3011.81,2450.79 -2982.28,2480.32 -2641.78,2480.32 -2588.58,2427.12 U6.44@-2588.58,2388.98
  Bottom Layer w5: CN7.1@-3641.73,2972.44 -3553.15,2972.44 -3533.46,2952.76 -3533.46,2775.59 -3492.28,2734.41 -3344.64,2734.41 -3297.24,2687.01 v1(-3277.56,2687.01) ; v1(-3169.29,2450.79) -3167.48,2452.6 -3167.48,2685.19 v1(-3169.29,2687.01)
ESC4_PWM: CN3.1 U6.45 | length 3261.6
  Top Layer w5: v1(-3710.63,767.72) CN3.1@-3553.15,767.72 ; v1(-3710.63,2549.21) -3690.94,2549.21 -3663.07,2521.34 -3336.61,2521.34 -3305.59,2490.32 -3258.03,2490.32 -3190.73,2423.01 -3120.08,2423.01 -3102.3,2440.79 -2825.52,2440.79 -2668.2,2283.46 -2627.95,2283.46 -2608.27,2303.15 U6.45@-2608.27,2388.98
  Bottom Layer w5: v1(-3710.63,767.72) -3712.44,769.53 -3712.44,2547.4 v1(-3710.63,2549.21)
GND: C1.2 C2.2 C3.2 C5.2 C6.2 C7.2 C8.2 C9.2 C10.2 C11.2 C12.2 C13.2 C14.2 C15.2 C16.2 C17.2 C18.2 C19.2 C20.2 C21.2 C22.2 C23.2 C24.2 C25.2 C26.2 C27.2 C28.2 C29.2 C30.2 C31.2 C32.2 C33.2 C34.2 C35.2 CN1.2 CN2.3 CN3.3 CN4.4 CN5.4 CN6.3 CN7.3 CN9.5 CN9.6 CN10.2 CN10.12 CN10.24 CN10.26 CN10.27 CN10.37 CN10.38 CN10.39 CN10.40 D1.2 D2.2 D3.2 D11.2 J1.2 J2.6 J2.9 J2.14 J2.20 J2.25 J2.30 J2.34 J2.39 J3.9 J3.10 J3.15 J3.16 J3.21 J3.22 J3.27 J3.28 J3.33 J3.34 J4.9 J4.10 J4.15 J4.16 J4.21 J4.22 J4.27 J4.28 J4.33 J4.34 Q1.3 R3.2 R7.1 R14.1 R25.1 R26.1 R37.1 SW1.1 U1.5 U1.9 U2.1 U3.1 U4.9 U4.12 U4.28 U4.29 U5.10 U6.10 U6.20 U6.27 U6.74 U6.99 U7.1 U7.5 U7.7 U8.18 U8.20 U8.25 U9.4 | length 1222.9
  Top Layer w5: C20.2@-2903.54,1889.76 -2903.7,1889.61 -2943.07,1889.61 -2943.07,1868.97 -2936.68,1862.58 -2819.04,1862.58 -2811.54,1870.08 U6.74@-2772.84,1870.08 ; v1(-2854.33,2568.9) C26.2@-2805.12,2568.9 ; v1(-2608.27,2568.9) R26.1@-2559.06,2568.9
  Top Layer w15: v1(-3444.88,2755.91) C6.2@-3444.88,2795.28
  Top Layer w20: R3.2@-3503.94,3021.65 -3503.94,3048.31 -3491.22,3061.02 -3248.03,3061.02 v1(-3179.13,3061.02) v1(-3139.76,3061.02) ; -3267.72,2795.28 -3139.76,2795.28
  Top Layer w40: -3248.03,2854.33 v1(-3248.03,2893.7) ; v1(-3248.03,2992.13) v1@-3248.03,3061.02 ; v1(-3188.98,2824.8) v1(-3188.98,2893.7) ; v1(-3188.98,2992.13) v1@-3188.98,3051.18
  Bottom Layer w5: v1(-3169.29,1604.33) v1(-3169.29,1692.91)
  other v1: -3110.24,216.54 -2047.24,334.65 -2952.76,610.24 -2805.12,610.24 -3159.45,649.61 -3513.78,944.88 -2568.9,1466.54 -1988.19,1486.22 -2568.9,1555.12 -1702.76,1564.96 -2746.06,1604.33 -1998.03,1683.07 -2253.94,1722.44 -1889.76,1771.65 -2086.61,1811.02 -2647.64,1879.92 -3307.09,1889.76 -3238.19,1899.61 -2293.31,1968.5 -2647.64,1978.35 -2312.99,2125.98 -692.6,2204.25 -642.6,2204.25 -597.6,2204.25 -1761.81,2224.41 -643.31,2253.35 -692.6,2254.25 -597.6,2254.25 -692.6,2299.25 -642.6,2299.25 -597.6,2299.25 -1761.81,2303.15 -1456.69,2303.15 -3277.56,2381.89 -3248.03,2824.8 -3218.5,2824.8 -3218.5,2893.7 -3248.03,2942.91 -3218.5,2942.91 -3188.98,2942.91 -3218.5,2992.13 -3257.87,3061.02 -3218.5,3061.02 -3120.08,3090.55 -3257.87,3139.76 -3198.82,3139.76 -3120.08,3139.76
  other v2: -200,200 -3575.2,350 -3575.2,3250 -200,3350
GPS_RX: U6.23 U9.2 | length 2300.9
  Top Layer w5: v1(-2381.89,2303.15) -2362.2,2303.15 -2342.52,2283.46 U6.23@-2168.11,2283.46
  Bottom Layer w5: v1(-2381.89,2303.15) -2381.89,2273.62 -2391.89,2263.62 -2391.89,1939.13 -2315.28,1862.52 -2315.28,1745.29 -2238.19,1668.2 -2238.19,1320.89 -2259.86,1299.21 -2259.86,1108.29 -2234.25,1082.68 -2194.88,1082.68 -2145.67,1033.46 -2145.67,531.5 -2175.98,501.18 U9.2@-2293.31,501.18
GPS_TX: U6.24 U9.3 | length 2215.9
  Top Layer w5: v1(-2332.68,2312.99) -2312.99,2312.99 -2303.15,2303.15 U6.24@-2168.11,2303.15 ; U9.3@-2292.52,600.39 v1(-2096.46,600.39)
  Bottom Layer w5: v1(-2332.68,2312.99) -2332.68,2293.31 -2381.89,2244.09 -2381.89,1948.82 -2305.28,1872.21 -2305.28,1823.15 -2228.19,1746.06 -2228.19,1389.76 -2167.17,1328.74 -2167.17,1114.02 -2096.46,1043.31 v1(-2096.46,600.39)